# Altium PCB CL-HC-M-V2.2.PcbDoc (part 16 of 18) (continued)
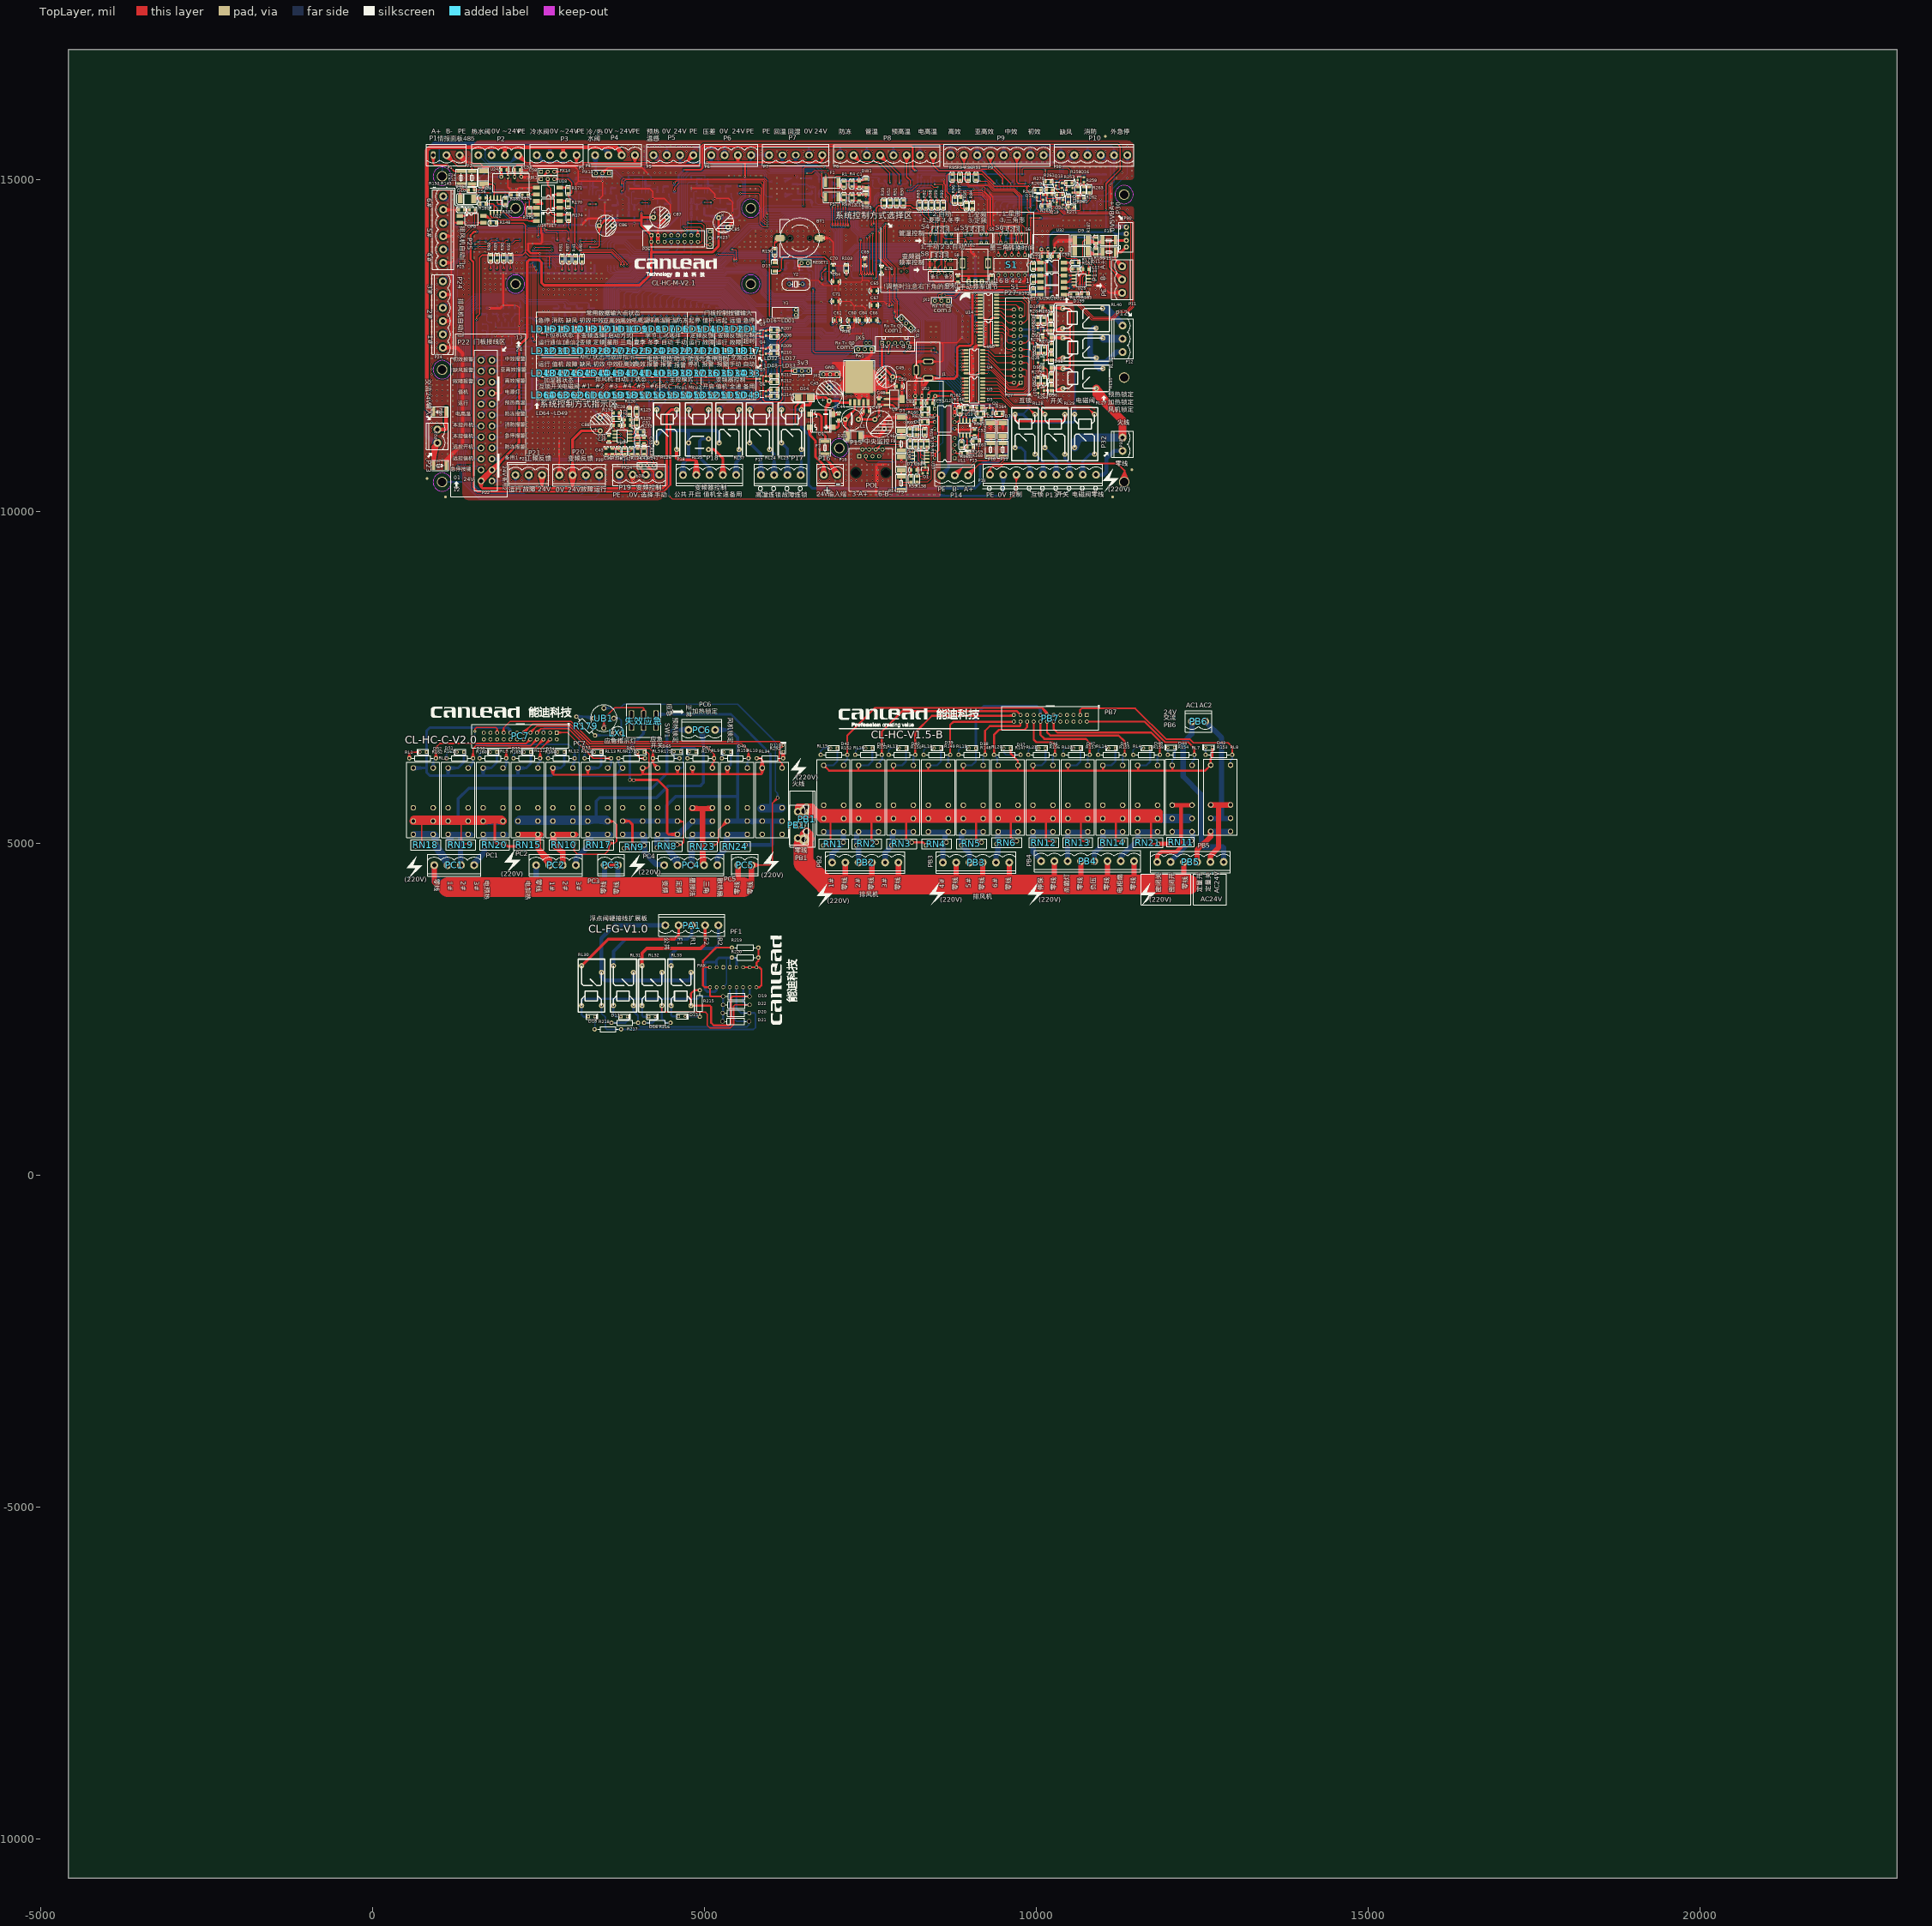
[diagram p0: TopLayer view]
## Nets (pads, with @x,y where several pads share a name; then routed paths per layer and width w, separated by ;. In a path a pad name is that pad's centre, name@x,y a point inside that pad or via, vN(x,y) a via of type N, cw(c..) or ccw(c..) an arc to the next point about the centre after c; other vN are vias at no path point) (continued)
回风温度: C3.1 DW3.K R3.1 R6.2 U33.45 | length 6495.6
  TopLayer w10: v1@7122.01,14302.91 7129.47,14344.75 ; v1@7122.01,14595.05 7129.48,14553.21 v1@7136.95,14595.05 ; v1(7129.48,14302.25) 7129.47,14344.75 ; v1@7129.47,14306.34 v1(7129.48,14595.71) ; v1@7136.95,14302.91 7129.47,14344.75
  BottomLayer w10: U33.45@7081.44,13622.58 7081.44,14254.21 7101.84,14274.61 ; U33.45@7081.44,13652.83 7081.44,13687.58 ; v1@7123.69,14307.02 7101.84,14274.61 ; v1(7129.48,14595.71) 7452.17,14595.71 7473.15,14616.7 7473.15,14982.5 7438.63,15017.02 DW3.K@7356.7,15017.02 ; v1@7130.14,14588.24 7171.98,14595.71 v1@7130.14,14603.18 ; v1@7134.25,14296.46 7101.84,14274.61 ; DW3.K@7361.7,15017.02 7416.7,15017.02 ; DW3.K@7362.61,15007.06 7416.7,15017.02 ; DW3.K@7362.61,15026.98 7416.7,15017.02 ; DW3.K@7365.34,14997.36 7416.7,15017.02 ; DW3.K@7365.34,15036.69 7416.7,15017.02 ; 7101.84,14274.61 v1(7129.48,14302.25) 7101.84,14274.61
  BottomLayer w16: R3.1@7053.81,15002.19 R6.2@7149.13,15002.19 7246.57,15002.19 DW3.K@7341.87,15002.19 ; R3.1@7058.81,15002.19 R6.2@7126.81,15002.19 ; R3.1@7059.87,14990.23 R6.2@7126.81,15002.19 ; R3.1@7059.87,15014.14 R6.2@7126.81,15002.19 ; R6.2@7141.52,14990.48 R3.1@7075.33,15011.38 ; R6.2@7141.52,15013.9 R3.1@7075.33,14993 ; R6.2@7144.68,14990.2 R3.1@7075.33,14993 ; R6.2@7144.68,15014.17 R3.1@7075.33,15011.38 ; R6.2@7152.29,15014.04 C3.1@7223.79,15019.09 ; R6.2@7153.89,15014.19 C3.1@7222.95,15009.55 ; R6.2@7154.94,14990.21 C3.1@7222.18,15000.76 ; R6.2@7155.19,14990.23 C3.1@7222.13,15002.19 ; R6.2@7155.19,15014.14 C3.1@7222.13,15002.19 ; R6.2@7155.44,15014.12 C3.1@7222.18,15000.76 ; R6.2@7156.44,14990.41 C3.1@7222.95,15009.55 ; R6.2@7157.93,14990.8 C3.1@7223.79,15019.09 ; C3.1@7238.39,15023.87 R6.2@7172.07,15002.19 ; C3.1@7241.12,15012.18 R6.2@7172.07,15002.19 ; C3.1@7241.82,15000.2 R6.2@7172.07,15002.19 ; C3.1@7250.43,15000.2 7320.21,15002.19 ; DW3.K@7346.18,15033.1 7278.82,15001.01 ; DW3.K@7346.66,15033.26 7275.25,15002.19 ; DW3.K@7349.05,15000.23 C3.1@7253.86,15023.87 ; DW3.K@7349.45,15033.87 C3.1@7251.12,15012.18 ; DW3.K@7351.08,15000.03 C3.1@7251.12,15012.18 ; DW3.K@7351.41,15034.02 C3.1@7253.86,15023.87 ; DW3.K@7353.1,15000.08 7275.25,15002.19 ; DW3.K@7353.43,15000.11 7278.82,15001.01 ; R3.1@7075.33,14993 R6.2@7144.13,15002.19 ; R3.1@7075.33,15011.38 R6.2@7144.13,15002.19 ; R3.1@7076.13,15002.19 7143.07,14990.23 R3.1@7076.13,15002.19 ; R3.1@7076.13,15002.19 7143.07,15014.14 R3.1@7076.13,15002.19 ; R3.1@7076.13,15002.19 R6.2@7144.13,15002.19 ; R3.1@7076.13,15002.19 R6.2@7144.13,15002.19 ; R6.2@7154.13,15002.19 C3.1@7222.13,15002.19 ; R6.2@7154.13,15002.19 C3.1@7222.18,15000.76 ; R6.2@7154.13,15002.19 C3.1@7222.95,15009.55 ; R6.2@7154.13,15002.19 C3.1@7223.79,15019.09 ; C3.1@7251.12,15012.18 7320.21,15002.19 ; C3.1@7251.12,15012.18 DW3.K@7351.7,15017.02 ; C3.1@7253.86,15023.87 7320.21,15002.19 ; C3.1@7253.86,15023.87 DW3.K@7351.7,15017.02 ; 7275.25,15002.19 DW3.K@7351.7,15017.02 ; 7278.82,15001.01 DW3.K@7351.7,15017.02 ; 7320.21,15002.19 DW3.K@7354.97,15000.34 ; 7320.21,15002.19 DW3.K@7340.92,15030.17 ; 7320.21,15002.19 DW3.K@7351.7,15017.02 ; 7320.21,15002.19 DW3.K@7354.97,15000.34 ; 7320.21,15002.19 DW3.K@7340.92,15030.17 ; 7320.21,15002.19 DW3.K@7351.7,15017.02 ; 7320.21,15002.19 DW3.K@7354.97,15000.34 ; 7320.21,15002.19 DW3.K@7340.92,15030.17 ; 7320.21,15002.19 DW3.K@7351.7,15017.02
回风湿度: C13.1 DW4.K R7.1 R11.2 U33.42 | length 2964.5
  TopLayer w10: v1@7004.16,14307 7011.62,14348.84 ; v1@7004.16,14612.1 7011.63,14570.26 ; v1(7011.63,14306.34) v1(7011.63,14612.76) 7011.63,14570.26 ; v1(7011.63,14306.34) 7011.62,14348.84 ; v1@7019.1,14307 7011.62,14348.84 ; v1@7019.1,14612.1 7011.63,14570.26
  BottomLayer w10: v1@7004.16,14305.67 7011.63,14264.17 ; v1@7006.77,14618.48 7044.14,14645.27 ; v1(7011.63,14612.76) 7044.14,14645.27 ; v1@7017.35,14607.91 7044.14,14645.27 ; v1@7019.1,14305.67 7011.63,14264.17 ; U33.42@7022.39,13622.58 7022.39,14253.42 7011.63,14264.17 ; U33.42@7022.39,13652.83 7022.39,13687.58 ; C13.1@7229.97,14696.04 7210.43,14646.06 ; C13.1@7243.04,14688.67 7210.43,14646.06 ; C13.1@7248.04,14683.67 7247.73,14683.36 7209.64,14645.27 ; C13.1@7253.56,14677.98 7210.43,14646.06 ; 7257.95,14661.3 7209.64,14645.27 ; 7011.63,14264.17 v1(7011.63,14306.34) 7011.63,14264.17 ; 7044.14,14645.27 7209.64,14645.27
  BottomLayer w20: R7.1@7028.04,14684.21 7028.59,14683.67 C13.1@7248.04,14683.67 ; R7.1@7033.04,14684.21 R11.2@7113.05,14683.67 ; R7.1@7048.7,14684.11 7133.04,14689.21 R7.1@7052.68,14683.67 ; R11.2@7162.65,14683.67 C13.1@7243.04,14688.67 ; C13.1@7223.41,14683.67 7143.04,14689.21 C13.1@7227.95,14687.73 ; C13.1@7247.73,14683.36 7290.85,14683.36 ; C13.1@7253.04,14688.67 7290.85,14683.36 ; DW4.K@7350.09,14644.51 7315,14659.21 ; DW4.K@7350.09,14673.92 7315,14659.21 ; DW4.K@7353.04,14659.21 7315,14659.21 ; DW4.K@7358.04,14659.21 7315,14659.21 ; 7290.85,14683.36 7315,14659.21
外急停开关: OP1.6 P10.6 R19.2 | length 2365.6
  BottomLayer w15: OP1.6@10813.86,14813.5 10813.86,14780.46 ; 10848.97,14928.61 OP1.6@10813.86,14873.5 ; R19.2@10877.38,15003.44 10854.22,14933.86 ; R19.2@10888.86,14998.5 10854.22,14933.86 ; R19.2@10899.33,14991.68 10854.22,14933.86 ; P10.6@11323.76,15356.26 11373.71,15264.97 ; P10.6@11337.73,15362.61 11373.71,15264.97 ; P10.6@11352.27,15366.79 11373.71,15264.97 ; P10.6@11373.71,15369.03 11373.71,15085.97 11053.33,14765.59 10828.73,14765.59 10813.86,14780.46 ; P10.6@11395.15,15366.79 11373.71,15264.97 ; P10.6@11409.7,15362.61 11373.71,15264.97 ; P10.6@11423.66,15356.26 11373.71,15264.97 ; 10813.86,14780.46 OP1.6@10813.86,14843.5 10813.86,14893.5 ; OP1.6@10813.86,14873.5 10813.86,14893.5 ; OP1.6@10813.86,14873.5 10813.86,14893.5 ; 10813.86,14893.5 10893.86,14973.5 ; 10893.86,14973.5 R19.2@10893.86,14998.5 ; 10893.86,14973.5 10905.96,14995.37 10893.86,14973.5 ; 10893.86,14973.5 10881.76,14995.37 10893.86,14973.5 ; 10893.86,14973.5 R19.2@10893.86,14998.5 ; 10893.86,14973.5 R19.2@10893.86,14998.5
大地: P26.5 PAX.5
定量关: PB5.5 RL8.5 | length 1505.5
  TopLayer w80: PB5.5@12624.28,4721.1 12624.28,4812.29 12748.38,4936.39 12748.38,5575.17 12883.93,5575.17 ; RL8.5@12628.39,5578.91 RL8.5@12928.39,5578.91 ; RL8.5@12629.61,5579.72 12794.06,5579.72
定量开: PB5.4 RL8.3 | length 842.4
  TopLayer w80: PB5.4@12424.28,4721.1 12424.28,4896.78 12628.39,5100.89 RL8.3@12628.39,5178.91
  BottomLayer w80: RL8.3@12623.06,5177.78 RL8.3@12923.06,5177.78
密闭关: PB5.1 RL7.5 | length 1437.3
  TopLayer w60: PB5.1@11824.28,4721.1 11824.28,4816.14 11883.22,4875.08 12112.9,4875.08 12183.35,4945.52 12183.35,5575.17 ; RL7.5@12058.29,5575.17 12183.35,5575.17 ; RL7.5@12358.29,5575.17 12183.35,5575.17
密闭开: PB5.2 RL7.3 RN11.2 | length 933.7
  BottomLayer w80: PB5.2@12024.28,4721.1 12024.28,4731.67 12358.29,5065.68 ; RL7.3@12058.29,5175.17 12358.29,5175.17 12358.29,5065.68 ; RN11.2@12329.1,5036.49 12358.29,5065.68
手动调速: C38.1 R102.1 R109.2 U33.47 | length 4061.1
  TopLayer w30: C38.1@8818.93,13549.7 8820.39,13551.17 R109.2@9332.63,13551.17 ; C38.1@8823.93,13549.7 8933.97,13551.17 ; R102.1@8966.75,13472.96 8984.14,13548.57 ; R102.1@8984.14,13463.49 8984.14,13548.57 ; R102.1@8984.14,13470.99 8984.14,13548.57 ; R102.1@9001.53,13472.96 8984.14,13548.57 ; 9217.63,13551.17 R109.2@9327.63,13551.17
  BottomLayer w10: U33.47@7120.81,13622.58 7120.81,13848.37 7279.88,14007.44 8211.93,14007.44 8351.25,13868.12 8351.25,13601.31 8439.51,13513.05 8713.26,13513.05 8762.82,13463.49 R102.1@8984.14,13463.49 8921.64,13463.49 ; U33.47@7120.81,13652.83 7120.81,13687.58 ; R102.1@8978.09,13436.66 8921.64,13463.49 ; R102.1@8978.09,13490.31 8921.64,13463.49 ; R102.1@8981.69,13446.16 8921.64,13463.49 ; R102.1@8981.69,13480.81 8921.64,13463.49 ; R102.1@8983.69,13456 8921.64,13463.49 ; R102.1@8983.69,13470.97 8921.64,13463.49
手动频率: C18.2 C24.1 PX15.1 R116.2 R122.2 | length 4467.4
  BottomLayer w15: PX15.1@3564.16,15098.22 3654.81,15098.22 3807.85,14945.19 3807.85,14761.2 ; PX15.1@3567.42,15076.44 3638.69,15098.22 PX15.1@3567.42,15120.01 ; C24.1@3848.67,14442.99 C18.2@3851.82,14510.19 ; R116.2@3848.67,14619.59 C18.2@3851.59,14553.29 ; R122.2@3848.66,14716.45 3852.7,14650.6 ; C18.2@3848.71,14526.13 C24.1@3861.15,14462.34 ; C18.2@3848.71,14538.54 R116.2@3861.15,14602.34 ; R116.2@3848.71,14630.16 3861.15,14693.96 ; C24.1@3848.99,14446.44 C18.2@3870.49,14510.19 ; R122.2@3848.96,14713.26 3869.61,14650.6 ; R116.2@3849.01,14616 C18.2@3870.72,14553.29 ; R122.2@3853.28,14716.32 3807.85,14761.2 ; C24.1@3861.15,14438.57 C18.2@3861.15,14532.34 R116.2@3861.15,14623.96 R122.2@3861.15,14721.03 3848.02,14721.03 3839.45,14729.6 ; C18.2@3861.15,14527.34 C24.1@3861.15,14462.34 ; C18.2@3861.15,14537.34 R116.2@3861.15,14602.34 ; R116.2@3861.15,14628.96 3861.15,14693.96 ; R122.2@3866.98,14737.08 3807.85,14761.2 ; R116.2@3873.3,14616 C18.2@3851.59,14553.29 ; C24.1@3873.32,14446.44 C18.2@3851.82,14510.19 ; R122.2@3873.34,14713.26 3852.7,14650.6 ; C18.2@3873.6,14526.13 C24.1@3861.15,14462.34 ; C18.2@3873.6,14538.54 R116.2@3861.15,14602.34 ; R116.2@3873.6,14630.16 3861.15,14693.96 ; C24.1@3873.64,14442.99 C18.2@3870.49,14510.19 ; R116.2@3873.64,14619.59 C18.2@3870.72,14553.29 ; R122.2@3873.65,14716.45 3869.61,14650.6 ; 3807.85,14761.2 3839.45,14729.6 ; 3807.85,14761.2 R122.2@3861.15,14726.03 ; 3839.45,14729.6 3855.7,14714.78 3839.45,14729.6 ; 3839.45,14729.6 3859.59,14738.43 3839.45,14729.6 ; 3839.45,14729.6 R122.2@3861.15,14726.03 ; 3839.45,14729.6 R122.2@3861.15,14726.03 ; R122.2@3849.16,14712.49 3861.15,14693.96 ; R122.2@3849.16,14712.49 3861.15,14693.96 ; R122.2@3849.16,14712.49 3861.15,14693.96 ; C18.2@3851.59,14553.29 R116.2@3861.15,14618.96 ; C18.2@3851.82,14510.19 C24.1@3861.15,14443.57 ; 3852.7,14650.6 R122.2@3861.15,14716.03 ; C24.1@3861.15,14443.57 C18.2@3861.15,14508.57 ; C24.1@3861.15,14443.57 C18.2@3870.49,14510.19 ; C24.1@3861.15,14443.57 C18.2@3861.15,14508.57 ; C18.2@3861.15,14508.57 3848.71,14444.77 C18.2@3861.15,14508.57 ; C18.2@3861.15,14508.57 3873.6,14444.77 C18.2@3861.15,14508.57 ; C18.2@3861.15,14553.96 3873.6,14617.76 C18.2@3861.15,14553.96 ; C18.2@3861.15,14553.96 3848.71,14617.76 C18.2@3861.15,14553.96 ; C18.2@3861.15,14553.96 R116.2@3861.15,14618.96 ; C18.2@3861.15,14553.96 R116.2@3861.15,14618.96 ; R116.2@3861.15,14618.96 C18.2@3870.72,14553.29 ; 3861.15,14651.03 3873.6,14714.83 3861.15,14651.03 ; 3861.15,14651.03 3848.71,14714.83 3861.15,14651.03 ; 3861.15,14651.03 R122.2@3861.15,14716.03 ; 3861.15,14651.03 R122.2@3861.15,14716.03 ; 3861.15,14693.96 R122.2@3873.14,14712.49 ; 3861.15,14693.96 R122.2@3861.15,14716.03 ; 3861.15,14693.96 R122.2@3873.14,14712.49 ; 3861.15,14693.96 R122.2@3861.15,14716.03 ; 3861.15,14693.96 R122.2@3873.14,14712.49 ; 3861.15,14693.96 R122.2@3861.15,14716.03 ; R122.2@3861.15,14716.03 3869.61,14650.6
星接法: PC4.3 RL9.3 RN23.2 | length 3085.4
  BottomLayer w80: PC4.3@4795.92,4683.67 PC4.3@4809.78,4697.53 ; 4809.78,4852.74 RL9.3@4821.23,5135.81 ; 4809.78,4973.37 PC4.3@4796.36,4672.36 RN23.2@4820.11,4930.84 ; RL9.3@4837.57,5135.16 RL9.3@5121.23,5135.81 RL9.3@4838.35,5124.63 ; RL9.3@5100.71,5115.56 5109.78,5124.63 RL9.3@4809.78,5124.63 ; RL9.3@5103.43,5124.63 RL9.3@4821.23,5135.81 ; PC4.3@4809.78,4697.53 RN23.2@4820.11,4930.84 ; PC4.3@4809.78,4697.53 RL9.3@4809.78,5124.63 ; RL9.3@4809.78,5124.63 RN23.2@4820.11,4930.84 ; RN23.2@4820.11,4930.84 RL9.3@4821.23,5135.81
消防: OP1.8 P10.4 R14.2 | length 1842.7
  BottomLayer w15: OP1.8@10913.86,14843.5 11040.77,14843.5 11063.86,14866.59 R14.2@11063.86,14998.5 ; P10.4@10945.31,15326 11064.59,15278.15 ; P10.4@10951.8,15339.77 11064.59,15278.15 ; P10.4@10959.8,15352.56 11064.59,15278.15 ; P10.4@10973.71,15369.03 11121.94,15220.81 11121.94,15016.36 11104.07,14998.5 ; P10.4@10990.18,15382.94 11064.59,15278.15 ; P10.4@11002.97,15390.94 11064.59,15278.15 ; P10.4@11016.74,15397.43 11064.59,15278.15 ; R14.2@11051.42,14997.3 11063.86,14933.5 ; R14.2@11068.86,14998.5 11104.07,14998.5 ; R14.2@11071.08,14986.2 11104.07,14998.5 ; R14.2@11071.08,15010.8 11104.07,14998.5 ; R14.2@11076.3,14997.3 11063.86,14933.5 ; 11063.86,14933.5 R14.2@11063.86,14998.5 ; R14.2@11063.86,14998.5 11104.07,14998.5
热水阀执行: C16.2 C22.1 P2.4 PX14.1 R115.2 R120.2 | length 5758.1
  BottomLayer w15: P2.4@1594.08,15370.67 1734.19,15230.55 2858.61,15230.55 2867.38,15221.78 2867.38,14849.91 3017.12,14700.17 ; PX14.1@2517.35,15123.8 2539.14,15195.08 PX14.1@2560.92,15123.8 ; PX14.1@2539.14,15120.55 2539.14,15225.37 ; C22.1@3055.25,14422.13 C16.2@3058.41,14489.33 ; R115.2@3055.26,14598.73 C16.2@3058.18,14532.43 ; R120.2@3055.25,14695.59 3059.28,14629.74 ; C16.2@3055.3,14505.27 C22.1@3067.74,14441.48 ; C16.2@3055.3,14517.68 R115.2@3067.74,14581.48 ; R115.2@3055.3,14609.3 3067.74,14673.1 ; R120.2@3055.55,14692.4 3076.2,14629.74 ; C22.1@3055.58,14425.58 C16.2@3077.07,14489.33 ; R115.2@3055.6,14595.14 C16.2@3077.31,14532.43 ; R120.2@3066.2,14687.76 3017.12,14700.17 ; R120.2@3066.2,14712.57 3017.12,14700.17 ; C22.1@3067.74,14417.71 C16.2@3067.74,14511.48 R115.2@3067.74,14603.1 R120.2@3067.74,14700.17 3017.12,14700.17 ; C16.2@3067.74,14506.48 C22.1@3067.74,14441.48 ; C16.2@3067.74,14516.48 R115.2@3067.74,14581.48 ; R115.2@3067.74,14608.1 3067.74,14673.1 ; C22.1@3079.91,14425.58 C16.2@3058.41,14489.33 ; R115.2@3079.89,14595.14 C16.2@3058.18,14532.43 ; R120.2@3079.93,14692.4 3059.28,14629.74 ; C16.2@3080.18,14505.27 C22.1@3067.74,14441.48 ; C16.2@3080.18,14517.68 R115.2@3067.74,14581.48 ; R115.2@3080.18,14609.3 3067.74,14673.1 ; C22.1@3080.23,14422.13 C16.2@3077.07,14489.33 ; R115.2@3080.23,14598.73 C16.2@3077.31,14532.43 ; R120.2@3080.23,14695.59 3076.2,14629.74 ; R120.2@3055.75,14691.63 3067.74,14673.1 ; R120.2@3055.75,14691.63 3067.74,14673.1 ; R120.2@3055.75,14691.63 3067.74,14673.1 ; C16.2@3058.18,14532.43 R115.2@3067.74,14598.1 ; C16.2@3058.41,14489.33 C22.1@3067.74,14422.71 ; 3059.28,14629.74 R120.2@3067.74,14695.17 ; C22.1@3067.74,14422.71 C16.2@3077.07,14489.33 ; C22.1@3067.74,14422.71 C16.2@3067.74,14487.71 ; C22.1@3067.74,14422.71 C16.2@3067.74,14487.71 ; C16.2@3067.74,14487.71 3055.3,14423.91 C16.2@3067.74,14487.71 ; C16.2@3067.74,14487.71 3080.18,14423.91 C16.2@3067.74,14487.71 ; C16.2@3067.74,14533.1 3080.18,14596.9 C16.2@3067.74,14533.1 ; C16.2@3067.74,14533.1 3055.3,14596.9 C16.2@3067.74,14533.1 ; C16.2@3067.74,14533.1 R115.2@3067.74,14598.1 ; C16.2@3067.74,14533.1 R115.2@3067.74,14598.1 ; R115.2@3067.74,14598.1 C16.2@3077.31,14532.43 ; 3067.74,14630.17 3080.18,14693.97 3067.74,14630.17 ; 3067.74,14630.17 3055.3,14693.97 3067.74,14630.17 ; 3067.74,14630.17 R120.2@3067.74,14695.17 ; 3067.74,14630.17 R120.2@3067.74,14695.17 ; 3067.74,14673.1 R120.2@3079.73,14691.63 ; 3067.74,14673.1 R120.2@3067.74,14695.17 ; 3067.74,14673.1 R120.2@3079.73,14691.63 ; 3067.74,14673.1 R120.2@3067.74,14695.17 ; 3067.74,14673.1 R120.2@3079.73,14691.63 ; 3067.74,14673.1 R120.2@3067.74,14695.17 ; R120.2@3067.74,14695.17 3076.2,14629.74
电高温: OP2.2 P8.8 R31.2 | length 2161.9
  TopLayer w20: P8.8@8400.32,15356.95 8448.32,15248 ; P8.8@8419.48,15363.51 8448.32,15248 ; P8.8@8448.32,15367.06 8448.32,15218.26 8534.48,15132.1 9182.72,15132.1 v1(9370.46,14944.36) 9315.54,14999.28 ; P8.8@8477.16,15363.51 8448.32,15248 ; P8.8@8496.32,15356.95 8448.32,15248
  BottomLayer w15: R31.2@9308.38,14996.33 9320.69,14962.4 ; R31.2@9320.69,14998.5 9320.69,14962.4 ; R31.2@9333,14996.33 9320.69,14962.4 ; OP2.2@9412.76,14865.04 9414.85,14909.87 ; OP2.2@9414.85,14843.5 9414.85,14909.87 ; 9320.69,14962.4 9338.47,14944.62 ; 9338.47,14944.62 9380.09,14944.62 9414.85,14909.87 ; 9338.47,14944.62 v1(9370.46,14944.36) 9414.85,14909.87
硬接线-温度: C33.2 C40.1 P26.11 PAX.11 PAX.13 PAX.15 PAX.16 PX23.3 R137.2 R139.2 R219.1 R220.1 | length 4810.8
  TopLayer w15: v1(4755.74,14346.38) 4813.24,14346.38 ; v1@4762.28,14346.38 4954.33,14346.38 4996.87,14303.84 4996.87,14047.78 5024.9,14019.75 ; PX23.3@5082.05,14041.95 5024.9,14019.75 ; PX23.3@5082.46,13998.62 5024.9,14019.75 ; PX23.3@5086.21,14020.32 5024.9,14019.75 ; PX23.3@5087.97,14019.98 5087.74,14019.75 5024.9,14019.75
  TopLayer w30: PAX.11@5584.49,3132.67 PAX.13@5684.49,3132.67 PAX.15@5784.49,3132.67 5827.07,3132.67 5860.42,3099.33 5860.42,2861.32 5831.77,2832.67 PAX.16@5784.49,2832.67 ; PAX.15@5793.08,3141.26 5784.49,3149.86 5784.49,3199.33 5814.37,3229.22 R219.1@5814.37,3429.14
  BottomLayer w15: P26.11@4689.23,14181.14 4746.65,14207.88 ; P26.11@4701.86,14163.1 4746.65,14207.88 ; P26.11@4719.91,14150.47 4746.65,14207.88 ; 4746.65,14286.39 v1(4755.74,14346.38) 4746.65,14406.72 ; v1@4762.28,14346.38 v1@4746.65,14346.38 ; C40.1@4874.51,14922.81 4886.86,14962.43 ; R139.2@4874.47,15009.32 4886.86,14962.43 ; C40.1@4886.86,14920.93 4886.86,14962.43 ; R139.2@4886.86,15020.93 C33.2@4951.84,15025.67 ; R139.2@4887.15,14998.43 C33.2@4951.84,15006.18 ; R139.2@4887.15,15033.42 C33.2@4951.84,15025.67 ; C40.1@4888.07,14903.49 4951.86,14915.93 C40.1@4888.07,14928.37 ; R139.2@4888.07,15003.49 4951.86,15015.93 R139.2@4888.07,15028.37 ; R139.2@4888.97,15008.61 C33.2@4951.84,15025.67 ; R139.2@4888.97,15023.25 C33.2@4951.84,15006.18 ; C40.1@4899.22,14922.81 4886.86,14962.43 ; R139.2@4899.26,15009.32 4886.86,14962.43 ; R137.2@4964.76,14908.61 C40.1@4901.89,14925.67 ; R137.2@4964.76,14923.25 C40.1@4901.89,14906.18 ; R137.2@4965.66,14903.49 4901.86,14915.93 R137.2@4965.66,14928.37 ; C33.2@4965.66,15003.49 4901.86,15015.93 C33.2@4965.66,15028.37 ; R137.2@4966.57,14898.43 C40.1@4901.89,14906.18 ; R137.2@4966.57,14933.42 C40.1@4901.89,14925.67 ; R137.2@4966.86,14910.93 C40.1@4901.89,14906.18 ; R137.2@4966.86,14915.93 C40.1@4886.86,14915.93 4886.86,14962.43 ; R137.2@4966.86,14920.93 C40.1@4901.89,14925.67 ; C33.2@4966.86,15015.93 R139.2@4886.86,15015.93 4886.86,14962.43 ; 4746.65,14207.88 v1@4746.65,14346.38 ; v1@4746.65,14346.38 4746.65,14936.94 4772.14,14962.43 4886.86,14962.43 ; 4886.86,14962.43 4886.86,15010.93 C33.2@4951.84,15006.18
硬接线-湿度: C34.2 C41.1 P26.13 PX23.1 R135.2 R140.2 | length 4796.8
  BottomLayer w15: P26.13@4780.08,14166.35 4801.86,14237.62 ; P26.13@4788.56,14180.65 4858.97,14220.21 ; C41.1@4789.38,14447.7 C34.2@4792.53,14514.9 ; R135.2@4789.38,14624.3 C34.2@4792.3,14558.01 ; R140.2@4789.37,14721.16 4793.41,14655.31 ; C41.1@4789.42,14437.08 4801.86,14373.28 ; C34.2@4789.42,14530.84 C41.1@4801.86,14467.05 ; C34.2@4789.42,14543.25 R135.2@4801.86,14607.05 ; R135.2@4789.42,14634.87 4801.86,14698.67 ; C41.1@4789.7,14451.15 C34.2@4811.2,14514.9 ; R140.2@4789.67,14717.97 4810.32,14655.31 ; R135.2@4789.72,14620.71 C34.2@4811.43,14558.01 ; P26.13@4801.86,14191.57 C41.1@4801.86,14443.28 C34.2@4801.86,14537.05 R135.2@4801.86,14628.67 R140.2@4801.86,14725.74 ; C41.1@4801.86,14438.28 4801.86,14373.28 ; C34.2@4801.86,14532.05 C41.1@4801.86,14467.05 ; C34.2@4801.86,14542.05 R135.2@4801.86,14607.05 ; R135.2@4801.86,14633.67 4801.86,14698.67 ; R135.2@4814.01,14620.71 C34.2@4792.3,14558.01 ; C41.1@4814.03,14451.15 C34.2@4792.53,14514.9 ; R140.2@4814.05,14717.97 4793.41,14655.31 ; C41.1@4814.31,14437.08 4801.86,14373.28 ; C34.2@4814.31,14530.84 C41.1@4801.86,14467.05 ; C34.2@4814.31,14543.25 R135.2@4801.86,14607.05 ; R135.2@4814.31,14634.87 4801.86,14698.67 ; C41.1@4814.35,14447.7 C34.2@4811.2,14514.9 ; R135.2@4814.35,14624.3 C34.2@4811.43,14558.01 ; R140.2@4814.36,14721.16 4810.32,14655.31 ; P26.13@4819.42,14149.79 4858.97,14220.21 ; P26.13@4823.65,14166.35 4801.86,14237.62 ; PX23.1@5082.92,14242.1 5011.68,14220.21 ; PX23.1@5082.99,14198.53 5011.68,14220.21 ; PX23.1@5085.87,14220.21 4858.97,14220.21 ; PX23.1@5086.21,14220.32 5011.68,14220.21 ; R140.2@4789.88,14717.2 4801.86,14698.67 ; R140.2@4789.88,14717.2 4801.86,14698.67 ; R140.2@4789.88,14717.2 4801.86,14698.67 ; C34.2@4792.3,14558.01 R135.2@4801.86,14623.67 ; C34.2@4792.53,14514.9 C41.1@4801.86,14448.28 ; 4793.41,14655.31 R140.2@4801.86,14720.74 ; 4801.86,14237.62 P26.13@4801.86,14163.1 4858.97,14220.21 ; C41.1@4801.86,14448.28 C34.2@4801.86,14513.28 ; C41.1@4801.86,14448.28 C34.2@4801.86,14513.28 ; C41.1@4801.86,14448.28 C34.2@4811.2,14514.9 ; C34.2@4801.86,14513.28 4789.42,14449.48 C34.2@4801.86,14513.28 ; C34.2@4801.86,14513.28 4814.31,14449.48 C34.2@4801.86,14513.28 ; C34.2@4801.86,14558.67 4814.31,14622.47 C34.2@4801.86,14558.67 ; C34.2@4801.86,14558.67 4789.42,14622.47 C34.2@4801.86,14558.67 ; C34.2@4801.86,14558.67 R135.2@4801.86,14623.67 ; C34.2@4801.86,14558.67 R135.2@4801.86,14623.67 ; R135.2@4801.86,14623.67 C34.2@4811.43,14558.01 ; 4801.86,14655.74 4814.31,14719.54 4801.86,14655.74 ; 4801.86,14655.74 4789.42,14719.54 4801.86,14655.74 ; 4801.86,14655.74 R140.2@4801.86,14720.74 ; 4801.86,14655.74 R140.2@4801.86,14720.74 ; 4801.86,14698.67 R140.2@4813.85,14717.2 ; 4801.86,14698.67 R140.2@4801.86,14720.74 ; 4801.86,14698.67 R140.2@4813.85,14717.2 ; 4801.86,14698.67 R140.2@4801.86,14720.74 ; 4801.86,14698.67 R140.2@4813.85,14717.2 ; 4801.86,14698.67 R140.2@4801.86,14720.74 ; R140.2@4801.86,14720.74 4810.32,14655.31
管温: OP3.6 P8.4 R35.2 | length 2117.6
  TopLayer w15: P8.4@7619.92,15324.03 7739.2,15276.18 ; P8.4@7626.41,15337.8 7739.2,15276.18 ; P8.4@7634.41,15350.59 7739.2,15276.18 ; P8.4@7648.32,15367.06 7939.8,15075.58 v1(7939.8,14949.64) ; P8.4@7664.79,15380.97 7739.2,15276.18 ; P8.4@7677.58,15388.97 7739.2,15276.18 ; P8.4@7691.35,15395.46 7739.2,15276.18
  BottomLayer w15: OP3.6@7912.38,14877.24 OP3.6@7912.38,14918.47 ; R35.2@7972.81,14995.95 R35.2@7972.81,14978.91 ; OP3.6@7912.38,14918.47 R35.2@7972.81,14978.91 ; OP3.6@7912.38,14918.47 v1(7939.8,14949.64) ; 7929.76,14935.86 7977.74,14988.36 v1(7939.8,14949.64) ; 7929.76,14935.86 7956.7,15001.69 v1(7939.8,14949.64) ; 7929.76,14935.86 7967.81,14995.95 v1(7939.8,14949.64) ; 7929.76,14935.86 v1(7939.8,14949.64) ; 7929.76,14935.86 v1(7939.8,14949.64) ; 7929.76,14935.86 v1(7939.8,14949.64) ; v1(7939.8,14949.64) R35.2@7972.81,14978.91 ; v1(7939.8,14949.64) 7959.7,14965.8 7912.38,14907.24 v1(7939.8,14949.64)
缺风: OP1.2 P10.2 R23.2 | length 2190
  BottomLayer w15: P10.2@10530.69,15397.43 10482.84,15278.15 ; R23.2@10537.36,14996.5 10549.71,14959.29 ; P10.2@10544.45,15390.94 10482.84,15278.15 ; R23.2@10549.71,14998.5 10549.71,14959.29 ; P10.2@10557.25,15382.94 10482.84,15278.15 ; R23.2@10562.05,14996.5 10549.71,14959.29 ; 10578.98,14930.01 OP1.2@10613.86,14873.5 ; P10.2@10587.62,15352.56 10482.84,15278.15 ; P10.2@10595.62,15339.77 10482.84,15278.15 ; P10.2@10602.12,15326 10482.84,15278.15 ; OP1.2@10613.86,14813.5 10613.86,14771.38 ; 10482.84,15278.15 P10.2@10573.71,15369.03 10411.07,15206.39 10411.07,14890.26 10539.98,14761.35 10603.83,14761.35 10613.86,14771.38 ; 10549.71,14959.29 10613.86,14895.14 ; 10613.86,14771.38 OP1.2@10613.86,14843.5 10613.86,14895.14 ; OP1.2@10613.86,14873.5 10613.86,14895.14 ; OP1.2@10613.86,14873.5 10613.86,14895.14
自动门开关1: OP4.2 P25.6 R54.2 | length 4714.7
  TopLayer w10: v1@2578.99,14271.43 2586.46,14229.59 ; v1@2593.93,14271.43 2586.46,14229.59 ; v1@2776.46,14090.95 2783.93,14132.78 v1@2791.4,14090.95 ; v1(2783.93,14090.28) 2783.93,14192 2767.42,14208.52 2604.84,14208.52 2586.46,14226.9 v1(2586.46,14272.09) 2586.46,14229.59
  BottomLayer w10: P25.6@1036.78,14702.98 1145.08,14668.93 ; P25.6@1040.29,14712.6 1145.08,14668.93 ; P25.6@1044.61,14721.78 1145.08,14668.93 ; P25.6@1049.7,14730.48 1145.08,14668.93 ; P25.6@1055.5,14738.66 1145.08,14668.93 ; P25.6@1064.81,14749.2 1183.46,14630.55 1183.46,14388.65 1278.53,14293.58 2328.25,14293.58 2349.74,14272.09 v1(2586.46,14272.09) 2543.96,14272.09 ; P25.6@1075.34,14758.5 1145.08,14668.93 ; P25.6@1083.52,14764.31 1145.08,14668.93 ; P25.6@1092.23,14769.4 1145.08,14668.93 ; P25.6@1101.41,14773.71 1145.08,14668.93 ; P25.6@1111.03,14777.22 1145.08,14668.93 ; v1@2585.8,14264.62 2543.96,14272.09 ; v1@2585.8,14279.56 2543.96,14272.09 ; v1@2776.85,14087.81 R54.2@2767.67,14125.4 ; v1@2777.2,14093.6 R54.2@2797.08,14125.4 ; v1@2784.59,14082.81 2826.43,14090.28 v1@2784.59,14097.75 ; v1@2790.4,14094.08 R54.2@2767.67,14125.4 ; v1@2791.18,14088.37 R54.2@2797.08,14125.4 ; OP4.2@2892.84,14001.34 2902.76,14038.36 ; OP4.2@2902.76,13970.04 2902.76,14038.36 ; OP4.2@2902.76,14000.04 2902.76,14038.36 ; OP4.2@2912.67,14001.34 2902.76,14038.36 ; R54.2@2767.67,14125.4 v1@2782.38,14090.28 ; R54.2@2767.67,14125.4 v1(2783.93,14090.28) ; v1@2782.38,14090.28 R54.2@2782.38,14128.36 ; v1@2782.38,14090.28 v1(2783.93,14090.28) ; v1@2782.38,14090.28 R54.2@2797.08,14125.4 ; v1@2782.38,14090.28 R54.2@2782.38,14128.36 ; R54.2@2782.38,14128.36 2776.44,14090.72 R54.2@2782.38,14128.36 ; R54.2@2782.38,14128.36 2791.35,14091.32 R54.2@2782.38,14128.36 ; R54.2@2782.38,14128.36 v1(2783.93,14090.28) ; R54.2@2782.38,14128.36 v1(2783.93,14090.28) ; v1(2783.93,14090.28) 2850.83,14090.28 2902.76,14038.36 ; v1(2783.93,14090.28) R54.2@2797.08,14125.4
自动门开关2: OP4.4 P25.4 R56.2 | length 3938.9
  TopLayer w10: v1(2616.98,14244.59) 2920.17,14244.59 2952.38,14212.38 v1(2952.38,14094.55) ; v1@2617.64,14237.12 2659.48,14244.59 v1@2617.64,14252.06 ; v1@2944.9,14095.21 2952.38,14137.05 v1@2959.85,14095.21
  BottomLayer w10: P25.4@1064.81,14349.2 1194.63,14349.2 1270.24,14273.58 2313.16,14273.58 2342.15,14244.59 v1(2616.98,14244.59) ; P25.4@1065.92,14335.19 1153.86,14349.2 ; P25.4@1065.92,14363.21 1153.86,14349.2 ; P25.4@1068.06,14325.36 1153.86,14349.2 ; P25.4@1068.06,14373.03 1153.86,14349.2 ; P25.4@1071.32,14315.77 1153.86,14349.2 ; P25.4@1071.32,14382.63 1153.86,14349.2 ; P25.4@1075.7,14306.51 1153.86,14349.2 ; P25.4@1075.7,14391.89 1153.86,14349.2 ; P25.4@1081.21,14297.69 1153.86,14349.2 ; P25.4@1081.21,14400.71 1153.86,14349.2 ; v1@2945.3,14092.07 R56.2@2937.75,14125.03 ; v1@2946.01,14098.52 R56.2@2967,14125.03 ; v1@2947.51,14088.85 2986.09,14060.84 v1@2958.08,14099.42 ; v1@2958.74,14098.52 R56.2@2937.75,14125.03 ; v1@2959.46,14092.07 R56.2@2967,14125.03 ; OP4.4@2992.82,14001.17 3002.76,14044.16 ; OP4.4@3002.76,13970.04 3002.76,14044.16 ; OP4.4@3002.76,14000.04 3002.76,14044.16 ; OP4.4@3012.69,14001.17 3002.76,14044.16 ; R56.2@2937.75,14125.03 v1(2952.38,14094.55) ; R56.2@2937.75,14125.03 v1(2952.38,14094.55) ; v1(2952.38,14094.55) 3002.76,14044.16 ; v1(2952.38,14094.55) R56.2@2952.38,14129.57 ; v1(2952.38,14094.55) R56.2@2967,14125.03 ; v1(2952.38,14094.55) R56.2@2952.38,14128.36 ; R56.2@2952.38,14128.36 2944.92,14095.38 R56.2@2952.38,14129.57 ; R56.2@2952.38,14128.36 2959.83,14095.38 R56.2@2952.38,14129.57
自动门开关3: OP5.2 P25.2 R64.2 | length 2863.1
  TopLayer w10: v1(1587.61,14066.28) v1(1708.93,14066.28) 1666.43,14066.28 ; v1@1588.27,14058.81 1630.11,14066.28 v1@1588.27,14073.75 ; v1@1708.27,14058.81 1666.43,14066.28 ; v1@1708.27,14073.75 1666.43,14066.28
  BottomLayer w10: P25.2@1064.81,13949.2 1375.29,13949.2 1492.38,14066.28 v1(1587.61,14066.28) 1545.11,14066.28 ; P25.2@1065.92,13935.19 1153.86,13949.2 ; P25.2@1065.92,13963.21 1153.86,13949.2 ; P25.2@1068.06,13925.36 1153.86,13949.2 ; P25.2@1068.06,13973.03 1153.86,13949.2 ; P25.2@1071.32,13915.77 1153.86,13949.2 ; P25.2@1071.32,13982.63 1153.86,13949.2 ; P25.2@1075.7,13906.51 1153.86,13949.2 ; P25.2@1075.7,13991.89 1153.86,13949.2 ; P25.2@1081.21,13897.69 1153.86,13949.2 ; P25.2@1081.21,14000.71 1153.86,13949.2 ; v1@1586.95,14058.81 1545.11,14066.28 ; v1@1586.95,14073.75 1545.11,14066.28 ; R64.2@1692.54,14126.11 1707.38,14078.36 R64.2@1722.21,14126.11 ; v1@1701.44,14066.67 R64.2@1707.38,14108.84 ; v1@1701.53,14065.03 R64.2@1697.91,14108.84 ; v1@1701.7,14068.3 R64.2@1717.56,14111.16 ; v1@1704.1,14060.54 1722.38,14050.08 ; R64.2@1707.38,14128.36 v1@1707.38,14065.08 ; v1@1715.46,14069.97 1722.38,14050.08 ; v1@1716,14068.78 R64.2@1697.91,14108.84 ; v1@1716.38,14065.48 R64.2@1717.56,14111.16 ; v1@1716.37,14067.22 R64.2@1707.38,14108.84 ; OP5.2@1817.84,14001.34 1827.76,14038.36 ; OP5.2@1827.76,13970.04 1827.76,14038.36 ; OP5.2@1827.76,14000.04 1827.76,14038.36 ; OP5.2@1837.67,14001.34 1827.76,14038.36 ; R64.2@1697.91,14108.84 v1(1708.93,14066.28) ; v1@1707.38,14065.08 v1(1708.93,14066.28) ; v1@1707.38,14065.08 1707.55,14064.9 1722.38,14050.08 ; R64.2@1707.38,14108.84 v1(1708.93,14066.28) ; v1(1708.93,14066.28) R64.2@1717.56,14111.16 ; v1(1708.93,14066.28) 1722.38,14050.08 ; 1722.38,14050.08 1816.04,14050.08 1827.76,14038.36